# Altium PCB 2m_DBoard_TX.PcbDoc (part 2 of 5) (continued)
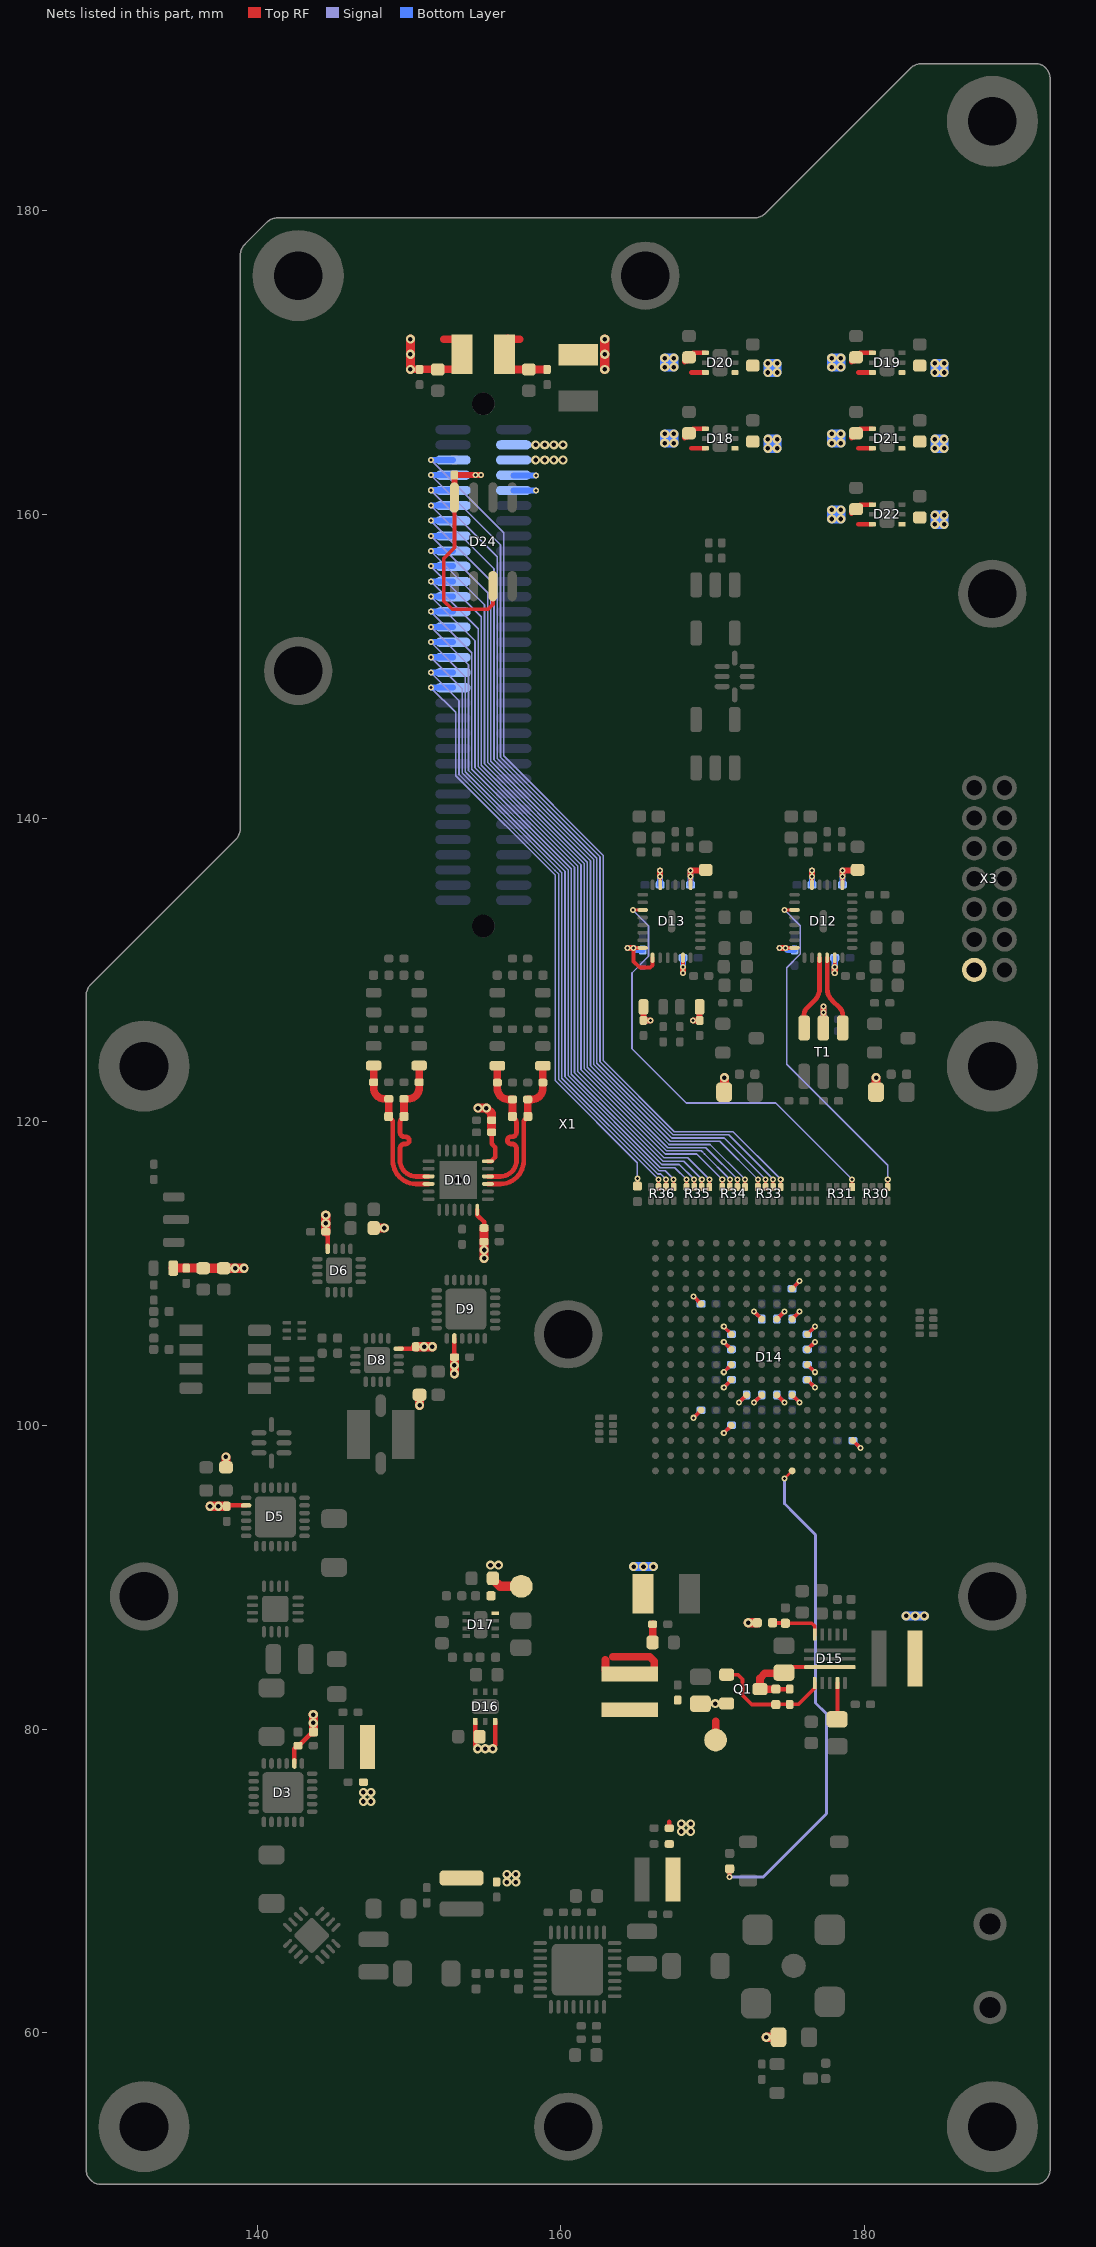
[diagram p12: the nets of this part, all layers, seen from the top]
## Part data (continued)
R43: "SMD Resistor", Manufacturer="Panasonic Electronic Components", Power="0.063 Wt", Supplier Part Number 1=P681KLCT-ND, Temperature Range=-55…155°C, Tolerance=1%, Name="Chip SMD Resistor", P/N=ERJ-2RKF6813X, Supplier 1=Digi-key, Supplier 2=Mouser, Supplier 3=Farnell, Supplier Part Number 2=667-ERJ-2RKF6813X
R44: "SMD Resistor", Manufacturer="Panasonic Electronic Components", Power="0.1 Wt", Supplier Part Number 1=P23.7KHCT-ND, Temperature Range=-55…155°C, Tolerance=1%, Name="Chip SMD Resistor", P/N=ERJ-3EKF2372V, Supplier 1=Digi-key, Supplier 2=Mouser, Supplier 3=Farnell, Supplier Part Number 2=667-ERJ-3EKF2372V
R45: "SMD Resistor", Manufacturer="Panasonic Electronic Components", Power="0.063 Wt", Supplier Part Number 1=P178KLCT-ND, Temperature Range=-55…155°C, Tolerance=1%, Name="Chip SMD Resistor", P/N=ERJ-2RKF1783X, Supplier 1=Digi-key, Supplier 2=Mouser, Supplier 3=Farnell, Supplier Part Number 2=667-ERJ-2RKF1783X
R46: "SMD Resistor", Manufacturer="Panasonic Electronic Components", Power="0.063 Wt", Supplier Part Number 1=P732KLCT-ND, Temperature Range=-55…155°C, Tolerance=1%, Name="Chip SMD Resistor", P/N=ERJ-2RKF7323X, Supplier 1=Digi-key, Supplier 2=Mouser, Supplier 3=Farnell, Supplier Part Number 2=667-ERJ-2RKF7323X
R47: "SMD Resistor", Manufacturer="Panasonic Electronic Components", Power="0.063 Wt", Supplier Part Number 1=P80.6KLCT-ND, Temperature Range=-55…155°C, Tolerance=1%, Name="Chip SMD Resistor", P/N=ERJ-2RKF8062X, Supplier 1=Digi-key, Supplier 2=Mouser, Supplier 3=Farnell, Supplier Part Number 2=667-ERJ-2RKF8062X
R48: "SMD Resistor", Manufacturer="Panasonic Electronic Components", Power="0.063 Wt", Temperature Range=-55…155°C, Tolerance=0.5%, Name="Chip SMD Resistor", P/N=ERJ-2RHD1501X, Supplier 1=Digi-key, Supplier 2=Mouser, Supplier 3=Farnell, Supplier Part Number 2=667-ERJ-2RHD1501X, Supplier Part Number 3=2379819
R49: "SMD Resistor", Power="0.1 Wt", Temperature Range=-55…155°C, Tolerance=1%, Name="Chip SMD Resistor", P/N=ERJ-2GE0R00X, Supplier 4=Digi-key, Supplier 5=Mouser, Supplier 6=Farnell, Supplier Part Number 4=P0.0JCT-ND, Supplier Part Number 5=667-ERJ-2GE0R00X
R50: "SMD Resistor", Manufacturer="Panasonic Electronic Components", Power="0.1 Wt", Supplier Part Number 1=P887KLCT-ND, Temperature Range=-55…155°C, Tolerance=±1%, Name="Chip SMD Resistor", P/N=ERJ-2RKF8873X, Supplier 1=Digi-key, Supplier 2=Mouser, Supplier 3=Farnell, Supplier Part Number 2=667-ERJ-2RKF8873X
R51: "SMD Resistor", Manufacturer="Panasonic Electronic Components", Power="0.1 Wt", Supplier Part Number 1=P499KLCT-ND, Temperature Range=-55…155°C, Tolerance=±1%, Name="Chip SMD Resistor", P/N=ERJ-2RKF4993X, Supplier 1=Digi-key, Supplier 2=Mouser, Supplier 3=Farnell, Supplier Part Number 2=667-ERJ-2RKF4993X
R52 R53 R54: "SMD Resistor", Power="0.062 Wt", Supplier Part Number 1=P68JCT-ND, Temperature Range=-55…155°C, Tolerance=5%, Name="Chip SMD Resistor", P/N=ERJ-2GEJ680X, Supplier 1=Digi-key, Supplier 2=Mouser, Supplier 3=Farnell, Supplier Part Number 2=667-ERJ-2GEJ680X
R55: "SMD Resistor", Manufacturer="Panasonic Electronic Components", Power="0.063 Wt", Supplier Part Number 1=P180LCT-ND, Temperature Range=-55…155°C, Tolerance=1%, Name="Chip SMD Resistor", P/N=ERJ-2RKF1800X, Supplier 1=Digi-key, Supplier 2=Mouser, Supplier 3=Farnell, Supplier Part Number 2=667-ERJ-2RKF1800X
T1: "RF Transformer", Frequency="20 to 4000 MHz", Manufacturer=Mini-Circuits, Package=DB1627, Name=TCM2-452X-2+, P/N=TCM2-452X-2+, Ratio=1:2, Supplier 1=Digi-key, Supplier 2=Mouser, Supplier 3=Minicircuits, Supplier Part Number 3=TCM2-452X-2+, Type="RF Transformer"
T2 T3: "RF Transformer", Frequency="3 to 300 MHz", Manufacturer=Mini-Circuits, Package=AT1521, Supplier Part Number 1=3157-TC2-1TX+CT-ND, Name=TC2-1TX+, P/N=TC2-1TX+, Ratio=1:2, Supplier 1=Digi-key, Supplier 2=Mouser, Supplier 3=Farnell, Supplier Part Number 2=139-TC2-1TX, Type="RF Transformer"
T4 T5 T6: "N-Channel MOSFET 2N7002", Channel Resistance=5Ohm, Current=300mA, Package=SOT-23, Power Dissipation=0.83W, Supplier Part Number 1=1727-8645-1-ND, Voltage=60V, Name=2N7002, Supplier 1=Digi-key, Supplier 2=Mouser, Supplier 3=Farnell, Supplier Part Number 2=771-2N7002/HAMR, Type=SOT-23
TP1 TP2: library part "Test  Point", Supplier 4=Digi-key, Supplier 5=Mouser, Supplier 6=Farnell
X1: "USRP DBoard", Manufacturer=Molex, Supplier Part Number 1=WM17201-ND, Name="1.00mm Pitch Mezzanine 714390164", P/N=714390164, Supplier 1=Digi-Key, Supplier 2=Mouser, Supplier 3=Farnell, Supplier Part Number 2=538-71439-0164
X2: "4.20mm Pitch, Dual Row, 2 Circuits, without Snap-in Plastic Peg PCB Lock", Manufacturer=Molex, Supplier Part Number 1=WM3800-ND, Mate With P/N=39-01-2020, Mate With Series=5557, Name="Mini-Fit Jr. Vertical Header", P/N=39-28-1023, Series=5566, Supplier 1=Digi-key, Supplier 2=Mouser, Supplier 3=Farnell, Supplier Part Number 2=538-39-28-1023, Type="Mini-Fit Jr. Vertical Header, 4.20mm Pitch, Dual Row, 2 Circuits, without Snap-in Plastic Peg PCB Lock"
X3: library part "HDR Debug_14-pin", "2.00mm Pitch, Milli-Grid PCB Header, Dual Row, Vertical, Through Hole, Shrouded, 14 / Circuits", Manufacturer=Molex, Supplier Part Number 1=WM4224-ND, Name="Milli-Grid Connector System", P/N=878311421, Series=87831, Supplier 1=Digi-key, Supplier 2=Mouser, Supplier 3=Farnell, Supplier Part Number 2=538-87831-1421, Type="2.00mm Pitch, Milli-Grid PCB Header, Dual Row, Vertical, Through Hole, Shrouded, 14"
XW1: library part "RF Connector", "50 Ohms, SMA Jack, Vertica", Manufacturer=Molex, Supplier Part Number 1=WM9458-ND, Impedance=50Ω, Name="SMA Jack", P/N=0732511352, Supplier 1=Digi-Key, Supplier 2=Mouser, Supplier 3=Farnell, Supplier Part Number 2=538-73251-1352, Type="50 Ohms, SMA Jack, Vertical, PCB SMT, Gold (Au) Body"
Z1 Z5: "Low Pass Filter", Frequency="DC to 990 MHz", Manufacturer=Mini-Circuits, Package=GE0805C-2, Supplier Part Number 1=3157-LFCG-92+CT-ND, Name=LFCG-92+, P/N=LFCG-92+, Supplier 1=Digi-key, Supplier 2=Mouser, Supplier 3=Farnell, Supplier Part Number 2=139-LFCG-92, Type="Low Pass Filter"
Z2: "Bandpass Filter", Frequency="3130 to 5040 MHz", Manufacturer=Mini-Circuits, Package=JV1210C, Supplier Part Number 1=3157-BFCV-4085+CT-ND, Name=BFCV-4085+, P/N=BFCV-4085+, Supplier 1=Digi-key, Supplier 2=Mouser, Supplier 3=Farnell, Supplier Part Number 2=139-BFCV-4085, Type="Bandpass Filter"
Z3: "Diplexer", Frequency="DC to 6000 MHz", Manufacturer=Mini-Circuits, Package=JC0603C, Supplier Part Number 1=3157-LDPW-162-242+CT-ND, High Pass="2400-6000 MHz", Low Pass="DC-1650 MHz", Name=LDPW-162-242+, P/N=LDPW-162-242+, Supplier 1=Digi-key, Supplier 2=Mouser, Supplier 3=Farnell, Supplier Part Number 2=139-LDPW-162-242, Type=Diplexer
Z4: "Diplexer", Frequency="DC to 5000 MHz", Manufacturer=Mini-Circuits, Package=GE0805C-10, High Pass="2600 - 5000 MHz", Low Pass="DC - 2100 MHz", Name=LDPG-212-322+, P/N=LDPG-212-322+, Supplier 1=Digi-key, Supplier 2=Mouser, Supplier 3=Minicircuits, Supplier Part Number 3=LDPG-212-322+, Type=Diplexer

## Via types
v1: diameter 0.6, hole 0.3, Top RF to Bottom Layer, tented both sides, 809 vias
v2: diameter 0.4, hole 0.2, Top RF to Bottom Layer, tented both sides, 741 vias
v3: diameter 0.5, hole 0.2, Top RF to Bottom Layer, tented both sides, 4 vias

## Nets (pads, with @x,y where several pads share a name; then routed paths per layer and width w, separated by ;. In a path a pad name is that pad's centre, name@x,y a point inside that pad or via, vN(x,y) a via of type N, cw(c..) or ccw(c..) an arc to the next point about the centre after c; other vN are vias at no path point)
3V3_CVDD: C52.1 C53.2 C58.1 C64.2 C72.2 C73.2 C74.1 C80.2 C132.1 D12.13 D12.27 D13.13 D13.27 D19.1 L16.2 L17.2 T1.5 | length 15.9
  Top RF w0.25: D13.27@166.55,135.6 v2(166.55,136.15) ; v2(168.05,130.2) D13.13@168.05,130.8 ; D12.27@176.55,135.6 v2(176.55,136.15) ; v2(178.05,130.2) D12.13@178.05,130.8
  Top RF w0.4: C73.2@165.45,126.675 L17.2@165.449,127.562 ; C73.2@165.45,126.675 v2(165.9,126.675) ; v2(166.55,136.15) v2(166.55,136.55) ; v2(168.05,129.8) v2(168.05,130.2) ; v2(168.7,126.675) C72.2@169.15,126.675 ; C72.2@169.15,126.675 L16.2@169.149,127.562 ; L16.2@169.149,127.562 L16.2@169.15,127.563 ; v2(176.55,136.15) v2(176.55,136.55) ; T1.5@177.3,126.175 v2(177.3,127.2) v2(177.3,127.6) ; v2(178.05,129.8) v2(178.05,130.2)
  Bottom Layer w0.4: C80.2@166.55,135.6 v2(166.55,136.15) v2(166.55,136.55) ; v2(168.05,129.8) C74.1@168.05,130.8 ; C64.2@176.55,135.6 v2(176.55,136.15) v2(176.55,136.55) ; C53.2@177.3,125.975 C52.1@177.3,126.75 ; C52.1@177.3,126.775 v2(177.3,127.2) v2(177.3,127.6) ; v2(178.05,129.8) C58.1@178.05,130.8
  Bottom Layer w0.6: v1(184.65,169.35) v1(184.65,169.95) v1(185.25,169.95) v1(185.25,169.35) v1(184.65,169.35)
3V3_DVDD: C16.2 C20.1 C21.1 C22.1 C23.1 C60.2 C76.2 C82.1 C83.1 C84.1 C85.1 C86.1 C87.2 C88.2 C89.2 C90.2 C91.2 C92.2 C93.2 C94.2 C95.2 C96.2 C97.2 C98.2 C99.2 C100.2 C101.2 C134.1 D3.2 D5.8 D6.16 D8.16 D9.8 D12.8 D13.8 D13.9 D14.D5 D14.D12 D14.F4 D14.F7 D14.F8 D14.F9 D14.F10 D14.G6 D14.H6 D14.H11 D14.J6 D14.J11 D14.K6 D14.K11 D14.K13 D14.L7 D14.L8 D14.L9 D14.L10 D14.P3 D22.1 H1.2 H2.2 H3.2 R5.1 X3.2 | length 53.7
  Top RF w0.25: D13.8@165.4,131.45 v2(164.8,131.45) 164.8,130.55 165.2,130.15 165.9,130.15 166.05,130.3 D13.9@166.05,130.8 ; v2(168.74,100.5) D14.D5@169.24,101 ; v2(168.74,108.5) D14.D12@169.24,108 ; v2(170.74,99.5) D14.F4@171.24,100 ; v2(170.74,102.5) D14.F7@171.24,103 ; v2(170.74,103.5) D14.F8@171.24,104 ; v2(170.74,105.5) D14.F9@171.24,105 ; v2(170.74,106.5) D14.F10@171.24,106 ; v2(171.74,101.5) D14.G6@172.24,102 ; v2(172.74,101.5) D14.H6@173.24,102 ; v2(172.74,107.5) D14.H11@173.24,107 ; D14.J6@174.24,102 v2(174.74,101.5) ; D14.J11@174.24,107 v2(174.74,107.5) ; v2(174.8,131.45) D12.8@175.4,131.45 ; D14.K6@175.24,102 v2(175.74,101.5) ; D14.K11@175.24,107 v2(175.74,107.5) ; D14.K13@175.24,109 v2(175.74,109.5) ; D14.L7@176.24,103 v2(176.74,102.5) ; D14.L8@176.24,104 v2(176.74,103.5) ; D14.L9@176.24,105 v2(176.74,105.5) ; D14.L10@176.24,106 v2(176.74,106.5) ; D14.P3@179.24,99 v2(179.74,98.5)
  Top RF w0.3: C20.1@138,94.675 138.05,94.725 D5.8@139.275,94.725 ; D3.2@142.45,77.73 142.45,78.705 142.65,78.905 C16.2@142.7,78.905 142.75,78.905 143.49,79.645 143.558,79.645 143.708,79.795 R5.1@143.708,79.8 ; C21.1@144.525,112.75 144.55,112.75 144.65,112.65 D6.16@144.65,111.625 ; D8.16@149.325,105.05 150.35,105.05 150.45,105.15 C22.1@150.45,105.175 ; C23.1@153,104.5 D9.8@153,105.725
  Top RF w0.4: v2(164.4,131.45) v2(164.8,131.45) ; v2(174.4,131.45) v2(174.8,131.45)
  Top RF w0.6: v1(136.9,94.675) C20.1@138,94.675 ; v1(143.7,80.95) 143.708,80.942 R5.1@143.708,79.8 ; C21.1@144.525,112.75 v1(144.525,113.85) ; C22.1@150.45,105.175 v1(151.55,105.175) ; v1(153,103.4) C23.1@153,104.5 ; H2.2@170.775,121.95 v1(170.775,122.9) ; v1(173.54,59.7) H3.2@174.35,59.7 ; H1.2@180.775,121.95 v1(180.775,122.9)
  Bottom Layer w0.25: v2(168.74,100.5) C86.1@169.24,101 ; v2(168.74,108.5) C85.1@169.24,108 ; v2(170.74,99.5) C82.1@171.24,100 ; v2(170.74,102.5) C95.2@171.24,103 ; v2(170.74,103.5) C96.2@171.24,104 ; v2(170.74,105.5) C100.2@171.24,105 ; v2(170.74,106.5) C99.2@171.24,106 ; v2(171.74,101.5) C97.2@172.24,102 ; v2(172.74,101.5) C98.2@173.24,102 ; v2(172.74,107.5) C101.2@173.24,107 ; C87.2@174.24,102 v2(174.74,101.5) ; C91.2@174.24,107 v2(174.74,107.5) ; C88.2@175.24,102 v2(175.74,101.5) ; C92.2@175.24,107 v2(175.74,107.5) ; C84.1@175.24,109 v2(175.74,109.5) ; C89.2@176.24,103 v2(176.74,102.5) ; C90.2@176.24,104 v2(176.74,103.5) ; C94.2@176.24,105 v2(176.74,105.5) ; C93.2@176.24,106 v2(176.74,106.5) ; C83.1@179.24,99 v2(179.74,98.5)
  Bottom Layer w0.4: v2(164.4,131.45) v2(164.8,131.45) 164.95,131.3 C76.2@165.4,131.3 ; v2(174.4,131.45) v2(174.8,131.45) 174.95,131.3 C60.2@175.4,131.3 175.4,131.35 C60.2@175.35,131.4
  Bottom Layer w0.6: v1(184.65,159.35) v1(185.25,159.35) v1(185.25,159.95) v1(184.65,159.95) v1(184.65,159.35)
  other v1: 143.7,80.4 137.45,94.675 153,103.95 151,105.175 144.525,113.3
3V3_DVDD_TX: C102.2 D24.3 D24.8 X1.8 X1.10 | length 18.1
  Top RF w0.25: D24.8@152.995,161.121 152.995,157.802 152.3,157.107 152.3,154.3 152.85,153.75 155.2,153.75 155.535,154.085 D24.3@155.535,155.279
  Top RF w0.4: D24.8@152.998,161.124 C102.2@152.998,162.597 ; D24.8@152.998,161.598 D24.8@153,161.6 ; C102.2@153,162.6 v2(154.4,162.6) v2(154.75,162.6)
  Bottom Layer w0.4: X1.10@156.9,161.575 v2(158.362,161.575) ; X1.8@156.9,162.575 v2(158.362,162.575)
5V_AVDD: C13.2 C18.2 C125.1 D20.1 L4.1 L6.1 | length 2.4
  Bottom Layer w0.6: v1(173.65,169.35) v1(173.65,169.95) v1(174.25,169.95) v1(174.25,169.35) v1(173.65,169.35)
  other v1: 156.45,69.92 157.05,69.92 156.45,70.42 157.05,70.42 147,75.225 147.5,75.225 147,75.825 147.5,75.825
5V_CVDD: C46.2 C47.2 C48.1 C63.2 C79.2 C121.1 D12.23 D13.23 D21.1 L15.2 R26.2 R29.2 | length 12.9
  Top RF w0.25: D13.23@168.55,135.6 v2(168.55,136.15) ; D12.23@178.55,135.6 v2(178.55,136.15)
  Top RF w0.4: v2(168.55,136.15) v2(168.55,136.55) 169.512,136.55 R29.2@169.55,136.588 ; v2(178.55,136.15) v2(178.55,136.55) R26.2@179.512,136.55 ; R26.2@179.506,136.544 R26.2@179.556,136.544
  Top RF w0.5: C47.2@136.431,110.354 ccw(c136.457,110.381) 136.438,110.349 ccw(c136.457,110.381) C47.2@136.457,110.343
  Top RF w0.6: L15.2@134.481,110.354 C46.2@135.331,110.354 136.431,110.354 136.436,110.349 136.438,110.349 136.457,110.349 137.738,110.349 137.95,110.349 138.028,110.349 ccw(c138.028,110.949) 138.031,110.349 139.149,110.349 v1(139.15,110.35)
  Bottom Layer w0.4: C79.2@168.55,135.6 v2(168.55,136.15) v2(168.55,136.55) ; C63.2@178.55,135.6 v2(178.55,136.15) v2(178.55,136.55)
  Bottom Layer w0.6: v1(184.65,164.35) v1(184.65,164.95) v1(185.25,164.95) v1(185.25,164.35) v1(184.65,164.35)
  other v1: 138.55,110.35
5V_QMOD: C25.2 C26.2 C27.2 C28.2 C123.1 D10.18 D10.24 D18.1 | length 10.4
  Top RF w0.3: D10.18@154.5,114.2 154.5,113.85 154.95,113.4 C25.2@154.95,113 C25.2@154.95,112.987 ; C25.2@154.952,112.989 C25.2@154.955,112.987 ; D10.24@155.2,117.4 155.425,117.4 155.675,117.65 155.675,118.325 155.45,118.55 C27.2@155.45,119.3
  Top RF w0.4: C25.2@154.95,112.987 C25.2@154.952,112.989
  Top RF w0.6: v1(154.55,120.9) v1(155.1,120.9) 155.45,120.55 C27.2@155.45,119.3 ; v1(154.95,111) C26.2@154.95,112.1 154.95,112.987 C25.2@154.95,113
  Bottom Layer w0.6: v1(173.65,164.35) v1(174.25,164.35) v1(174.25,164.95) v1(173.65,164.95) v1(173.65,164.35)
  other v1: 154.95,111.55
6V_TX: C103.2 C104.2 C120.1 C122.1 C124.1 C126.1 C131.1 C133.1 D16.4 D16.6 D18.4 D18.6 D19.4 D19.6 D20.4 D20.6 D21.4 D21.6 D22.4 D22.6 L18.1 X1.4 X1.6 | length 33.7
  Top RF w0.3: D16.4@154.375,80.5 154.375,78.931 154.525,78.781 v1(154.525,78.7) ; C126.1@154.65,79.5 C126.1@154.65,79.55 ; v1(155.525,78.7) 155.525,78.781 155.675,78.931 D16.6@155.675,80.5 ; C122.1@168.35,165.1 C122.1@168.45,165.2 ; C124.1@168.35,170.1 C124.1@168.45,170.2 ; 168.6,164.35 D18.6@169.525,164.35 ; 168.6,169.35 D20.6@169.525,169.35 ; C122.1@168.7,165.65 D18.4@169.525,165.65 ; C124.1@168.7,170.65 D20.4@169.525,170.65 ; C133.1@179.35,160.1 C133.1@179.45,160.2 ; C120.1@179.35,165.1 C120.1@179.45,165.2 ; C131.1@179.35,170.1 C131.1@179.45,170.2 ; 179.6,159.35 D22.6@180.525,159.35 ; 179.6,164.35 D21.6@180.525,164.35 ; 179.6,169.35 D19.6@180.525,169.35 ; C133.1@179.7,160.65 D22.4@180.525,160.65 ; C120.1@179.7,165.65 D21.4@180.525,165.65 ; C131.1@179.7,170.65 D19.4@180.525,170.65
  Top RF w0.315: C122.1@168.157,165.043 C122.1@168.157,165.093 ; C124.1@168.157,170.043 C124.1@168.157,170.093 ; C133.1@179.157,160.042 C133.1@179.157,160.092 ; C120.1@179.157,165.042 C120.1@179.157,165.092 ; C131.1@179.158,170.043 C131.1@179.158,170.093
  Top RF w0.5: v1(150.102,169.55) 152.252,169.55 153.252,169.55 153.505,169.803 153.505,171.1 153.055,171.55 152.302,171.55
  Top RF w0.6: v1(150.102,169.55) v1(150.102,170.55) v1(150.102,171.55)
  Bottom Layer w0.6: v1(166.85,164.7) v1(167.45,164.7) v1(167.45,165.3) v1(166.85,165.3) v1(166.85,164.7) ; v1(166.85,169.7) v1(166.85,170.3) v1(167.45,170.3) v1(167.45,169.7) v1(166.85,169.7) ; v1(177.85,159.7) v1(178.45,159.7) v1(178.45,160.3) v1(177.85,160.3) v1(177.85,159.7) ; v1(177.85,164.7) v1(178.45,164.7) v1(178.45,165.3) v1(177.85,165.3) v1(177.85,164.7) ; v1(177.85,169.7) v1(177.85,170.3) v1(178.45,170.3) v1(178.45,169.7) v1(177.85,169.7)
  other v1: 155.025,78.7 158.35,163.584 158.95,163.584 159.55,163.584 160.15,163.584 158.35,164.584 158.95,164.584 159.55,164.584 160.15,164.584
12V_AVDD: C3.2 C4.2 C115.2 C118.2 C119.2 L2.1 L20.2 | length 12
  Top RF w0.3: C3.2@167.15,73.475 167.15,73.9
  Top RF w0.5: 162.927,84.552 162.95,84.529 162.95,83.875 162.973,83.852 162.977,83.852 163.194,83.635 L20.2@164.55,83.635 165.91,83.635 166.15,83.875 166.15,84.459 165.857,84.752 163.427,84.752 ; L20.2@164.552,83.637 165.812,83.637 L20.2@166.052,83.877 ; C115.2@166.052,85.702 C118.2@166.052,86.902
  Bottom Layer w0.6: v1(164.802,90.702) v1(165.452,90.702) v1(166.102,90.702)
  other v1: 167.95,73.25 168.55,73.25 167.95,73.75 168.55,73.75
-3V4_DVSS: C130.1 D17.4 R8.1 R10.1 R12.1 R50.2 TP1.1 | length 4.2
  Top RF w0.6: R8.1@137.95,97.237 v1(137.95,97.925) ; R10.1@147.687,113 v1(148.375,113) ; v1(150.7,101.325) R12.1@150.7,102.013 ; C130.1@155.525,89.925 155.525,89.875 156,89.4 TP1.1@157.4,89.4
  other v1: 155.375,90.8 155.9,90.8
_6V_flt: C105.2 C106.2 C107.2 C109.1 D15.12 L18.2 L19.1 | length 11
  Top RF w0.25: C109.1@178.227,80.677 D15.12@178.227,83.027
  Top RF w0.5: 157.302,171.55 156.552,171.55 156.502,171.6 156.299,171.397 156.299,169.995 156.749,169.545 157.955,169.545 C105.2@159.027,169.545
  Top RF w0.6: v1(162.9,169.55) v1(162.9,171.55)
  Bottom Layer w0.6: v1(182.752,87.452) v1(183.352,87.452) v1(183.952,87.452)
  other v1: 162.9,170.55
_12V_TPS: C113.2 C114.2 L20.1 Q1.2 R46.2 TP2.1 | length 1.9
  Top RF w0.25: v1(170.177,81.677) v1@170.19,81.664 ; TP2.1@170.19,79.289 TP2.1@170.202,79.277
  Top RF w0.4: R46.2@172.933,87.012 R46.2@172.944,87.002
  Top RF w0.5: TP2.1@170.202,79.277 170.202,80.507
  Top RF w0.6: v1(172.35,87) R46.2@172.942,87
_IOUTA_QMOD_N: C35.2 C37.2 D10.22 L12.2 R18.2 | length 10.3
  Top RF w0.315: D10.22@155.2,116.4 156.032,116.4 ccw(c156.032,117.461) 157.092,117.461 157.092,118.068 157.092,118.226 ccw(c156.777,118.226) 156.777,118.541 156.717,118.541 cw(c156.717,118.773) 156.485,118.773 cw(c156.717,118.773) 156.717,119.006 156.777,119.006 ccw(c156.777,119.321) 157.092,119.321 157.092,119.836 157.092,119.907 ccw(c156.69,119.907) 157.087,119.971 ccw(c156.69,119.907) 156.975,120.192 R18.2@156.817,120.35 R18.2@156.817,120.345
  Top RF w0.5: L12.2@155.825,123.688 C37.2@155.825,122.581 155.825,122.2 ccw(c156.559,122.2) 156.559,121.466 C35.2@156.825,121.466 R18.2@156.825,120.35
_IOUTA_QMOD_P: C35.1 C36.1 D10.21 L11.2 R18.1 | length 10.3
  Top RF w0.315: D10.21@155.2,115.9 156.026,115.9 ccw(c156.026,117.431) 157.557,117.431 157.557,119.907 cw(c157.96,119.907) 157.675,120.192 R18.1@157.833,120.35 R18.1@157.833,120.345
  Top RF w0.5: R18.1@157.825,120.35 C35.1@157.825,121.466 158.091,121.466 ccw(c158.091,122.2) 158.825,122.2 C36.1@158.825,122.581 L11.2@158.825,123.688
_IOUTB_QMOD_N: C29.2 C31.2 D10.9 L8.2 R15.2 | length 10.3
  Top RF w0.315: R15.2@149.525,120.192 ccw(c149.81,119.907) 149.407,119.907 149.407,119.827 149.407,119.321 ccw(c149.722,119.321) 149.722,119.006 149.792,119.006 cw(c149.792,118.773) 150.024,118.773 cw(c149.792,118.773) 149.792,118.541 149.722,118.541 ccw(c149.722,118.226) 149.407,118.226 149.407,117.603 149.407,117.461 ccw(c150.468,117.461) 150.468,116.4 D10.9@151.3,116.4 ; R15.2@149.525,120.192 R15.2@149.683,120.35 R15.2@149.683,120.345
  Top RF w0.5: R15.2@149.675,120.35 C29.2@149.675,121.465 ; C29.2@149.675,121.5 149.95,121.5 ccw(c149.95,122.225) 150.675,122.225 C31.2@150.675,122.6 L8.2@150.675,123.7
_IOUTB_QMOD_P: C29.1 C30.1 D10.10 L7.2 R15.1 | length 10.3
  Top RF w0.315: R15.1@148.667,120.345 R15.1@148.667,120.35 148.824,120.192 cw(c148.54,119.907) 148.942,119.907 148.942,117.431 ccw(c150.474,117.431) 150.474,115.9 D10.10@151.3,115.9
  Top RF w0.5: L7.2@147.675,123.7 C30.1@147.675,122.6 147.675,122.225 ccw(c148.4,122.225) 148.4,121.5 C29.1@148.675,121.5 ; R15.1@148.675,120.35 C29.1@148.675,121.465
_LO1_TX_N: D12.11 T1.4 | length 5
  Top RF w0.315: T1.4@176.03,126.175 176.03,127.056 cw(c176.619,127.056) 176.202,127.472 176.741,128.011 ccw(c175.996,128.757) 177.05,128.757 D12.11@177.05,130.8
_LO1_TX_P: D12.12 T1.6 | length 5
  Top RF w0.315: D12.12@177.55,130.8 177.55,128.757 ccw(c178.604,128.757) 177.859,128.011 178.398,127.473 ; 178.398,127.472 cw(c177.981,127.056) 178.57,127.056 T1.6@178.57,126.175
_TPS_DISDRV: C112.2 D15.9 Q1.1 R45.1 | length 8
  Top RF w0.25: Q1.1@170.927,83.577 171.677,83.577 171.977,83.277 171.977,82.227 172.585,81.619 R45.1@174.177,81.619 ; R45.1@174.185,81.627 175.652,81.627 176.727,82.702 D15.9@176.727,83.027
_TPS_FB: D15.5 R46.1 R47.2 | length 3.4
  Top RF w0.25: R46.1@173.935,86.977 174.802,86.977 174.802,86.969 176.535,86.969 176.727,86.777 D15.5@176.727,86.227
_TPS_VOUT: C111.2 C112.1 D15.8 Q1.3 R45.2 | length 7.6
  Top RF w0.25: C111.2@174.666,83.677 174.897,83.677 175.295,84.075 D15.8@177.725,84.075
  Top RF w0.3: Q1.3@173.127,82.627 Q1.3@173.131,82.631 ; R45.2@174.173,82.631 174.177,82.635 174.181,82.631 175.073,82.631 C112.1@175.077,82.627
  Top RF w0.5: Q1.3@173.127,82.627 173.127,83.352 173.452,83.677 174.666,83.677 C111.2@174.7,83.711 C111.2@174.702,83.713 ; Q1.3@173.131,82.631 R45.2@174.173,82.631
cpld_io_00: R40.2 X1.35 | length 39.9
  Top RF w0.185: R40.2@165.05,115.758 v2(165.05,116.258)
  Signal w0.11: v2(151.442,148.593) 153.075,146.96 153.075,143.223 153.09,143.208 153.09,142.785 159.65,136.225 159.65,122.695 165.05,117.295 v2(165.05,116.258)
  Bottom Layer w0.4: v2(151.442,148.593) X1.35@152.904,148.593
cpld_io_01: R36.7 X1.33 | length 41.6
  Top RF w0.185: R36.7@166.44,115.7 v2(166.44,116.2)
  Signal w0.11: v2(151.442,149.593) 153.3,147.735 153.3,142.875 159.625,136.55 159.625,136.547 159.86,136.312 159.86,122.782 165.942,116.7 v2@166.44,116.202
  Bottom Layer w0.4: v2(151.442,149.593) X1.33@152.904,149.593
cpld_io_02: R36.6 X1.31 | length 42.9
  Top RF w0.185: R36.6@166.94,115.7 v2(166.94,116.2)
  Signal w0.11: v2(151.442,150.593) 153.51,148.525 153.51,142.965 159.95,136.525 159.95,136.519 160.07,136.399 160.07,122.869 166.384,116.555 166.587,116.555 v2@166.94,116.202
  Bottom Layer w0.4: v2(151.442,150.593) X1.31@152.904,150.593
cpld_io_03: R36.5 X1.29 | length 44.2
  Top RF w0.185: R36.5@167.44,115.7 v2(167.44,116.2)
  Signal w0.11: v2(151.442,151.593) 153.72,149.315 153.72,143.052 158.752,138.02 160.28,136.492 160.28,122.956 166.471,116.765 166.877,116.765 v2@167.44,116.202
  Bottom Layer w0.4: v2(151.442,151.593) X1.29@152.904,151.593
cpld_io_04: R35.8 X1.27 | length 45.9
  Top RF w0.185: R35.8@168.29,115.7 v2(168.29,116.2)
  Signal w0.11: v2(151.442,152.593) 153.93,150.105 153.93,143.139 160.49,136.579 160.49,123.043 166.558,116.975 167.515,116.975 v2(168.29,116.2)
  Bottom Layer w0.4: v2(151.442,152.593) X1.27@152.904,152.593
cpld_io_05: R35.7 X1.25 | length 47.2
  Top RF w0.185: R35.7@168.79,115.7 v2(168.79,116.2)
  Signal w0.11: v2(151.442,153.593) 154.14,150.895 154.14,143.226 160.7,136.666 160.7,123.13 166.645,117.185 167.807,117.185 168.79,116.202 v2(168.79,116.2)
  Bottom Layer w0.4: v2(151.442,153.593) X1.25@152.904,153.593
cpld_io_06: R35.6 X1.23 | length 48.5
  Top RF w0.185: R35.6@169.29,115.7 v2(169.29,116.2)
  Signal w0.11: v2(151.442,154.593) 154.35,151.685 154.35,143.313 160.91,136.753 160.91,123.217 166.732,117.395 168.097,117.395 169.29,116.202 v2(169.29,116.2)
  Bottom Layer w0.4: v2(151.442,154.593) X1.23@152.904,154.593
cpld_io_07: R35.5 X1.21 | length 49.9
  Top RF w0.185: R35.5@169.79,115.7 v2(169.79,116.2)
  Signal w0.11: v2(151.442,155.593) 154.56,152.475 154.56,143.4 161.12,136.84 161.12,123.304 166.799,117.625 168.367,117.625 169.79,116.202 v2(169.79,116.2)
  Bottom Layer w0.4: v2(151.442,155.593) X1.21@152.904,155.593
cpld_io_08: R34.8 X1.19 | length 51.5
  Top RF w0.185: R34.8@170.64,115.7 v2(170.64,116.2)
  Signal w0.11: v2(151.442,156.593) 154.77,153.265 154.77,143.487 161.33,136.927 161.33,123.42 166.875,117.875 168.965,117.875 v2(170.64,116.2)
  Bottom Layer w0.4: v2(151.442,156.593) X1.19@152.904,156.593
cpld_io_09: R34.7 X1.17 | length 52.9
  Top RF w0.185: R34.7@171.14,115.7 v2(171.14,116.2)
  Signal w0.11: v2(151.442,157.593) 154.98,154.055 154.98,143.574 161.54,137.014 161.54,123.507 166.962,118.085 169.257,118.085 169.467,117.875 171.14,116.202 v2(171.14,116.2)
  Bottom Layer w0.4: v2(151.442,157.593) X1.17@152.904,157.593
cpld_io_10: R34.6 X1.15 | length 54.2
  Top RF w0.185: R34.6@171.64,115.7 v2(171.64,116.2)
  Signal w0.11: v2(151.442,158.593) 155.19,154.845 155.19,143.661 161.75,137.101 161.75,123.594 167.049,118.295 169.547,118.295 169.692,118.15 171.64,116.202 v2(171.64,116.2)
  Bottom Layer w0.4: v2(151.442,158.593) X1.15@152.904,158.593
cpld_io_11: R34.5 X1.13 | length 55.5
  Top RF w0.185: R34.5@172.14,115.7 v2(172.14,116.2)
  Signal w0.11: v2(151.442,159.593) 155.4,155.635 155.4,143.748 161.96,137.188 161.96,123.681 167.136,118.505 169.837,118.505 172.14,116.202 v2(172.14,116.2)
  Bottom Layer w0.4: v2(151.442,159.593) X1.13@152.904,159.593
cpld_io_12: R33.8 X1.11 | length 57.2
  Top RF w0.185: R33.8@172.99,115.7 v2(172.99,116.2)
  Signal w0.11: v2(151.442,160.593) 155.61,156.425 155.61,143.835 162.17,137.275 162.17,123.768 167.223,118.715 170.475,118.715 v2(172.99,116.2)
  Bottom Layer w0.4: v2(151.442,160.593) X1.11@152.904,160.593
cpld_io_13: R33.7 X1.9 | length 58.5
  Top RF w0.185: R33.7@173.49,115.7 v2(173.49,116.2)
  Signal w0.11: v2(151.442,161.593) 155.82,157.215 155.82,143.922 162.38,137.362 162.38,123.855 167.31,118.925 170.767,118.925 173.49,116.202 v2(173.49,116.2)
  Bottom Layer w0.4: v2(151.442,161.593) X1.9@152.904,161.593
cpld_io_14: R33.6 X1.7 | length 59.8
  Top RF w0.185: R33.6@173.99,115.7 v2(173.99,116.2)
  Signal w0.11: v2(151.442,162.593) 156.03,158.005 156.03,144.009 162.59,137.449 162.59,123.942 167.397,119.135 171.057,119.135 173.99,116.202 v2(173.99,116.2)
  Bottom Layer w0.4: v2(151.442,162.593) X1.7@152.904,162.593
cpld_io_15: R33.5 X1.5 | length 61.2
  Top RF w0.185: R33.5@174.49,115.7 v2(174.49,116.2)
  Signal w0.11: v2(151.442,163.593) 156.24,158.795 156.24,144.096 162.8,137.536 162.8,124.029 167.484,119.345 171.347,119.345 174.49,116.202 v2(174.49,116.2)
  Bottom Layer w0.4: v2(151.442,163.593) X1.5@152.904,163.593
CS_LO1: D12.3 R30.5 | length 22.5
  Top RF w0.185: v2(174.75,133.95) D12.3@175.4,133.95 ; R30.5@181.54,115.7 v2(181.54,116.2)
  Signal w0.11: v2(174.75,133.95) 174.752,133.95 175.785,132.917 175.785,131.042 174.885,130.142 174.885,123.79 181.54,117.135 v2(181.54,116.2)
CS_LO2: D13.3 R31.5 | length 29.2
  Top RF w0.185: v2(164.75,133.95) D13.3@165.4,133.95 ; R31.5@179.19,115.7 v2(179.19,116.2)
  Signal w0.11: v2(164.75,133.95) 164.752,133.95 165.785,132.917 165.785,130.894 164.69,129.799 164.69,124.812 165.142,124.359 168.267,121.235 174.157,121.235 179.19,116.202 v2(179.19,116.2)
EXT_CTRL_TX: D14.K1 R55.2 | length 32.6
  Top RF w0.185: v2(174.74,96.5) D14.K1@175.24,97
  Top RF w0.25: v2(171.125,70.242) R55.2@171.125,70.792
  Signal w0.185: v2(174.74,96.5) 174.74,94.843 175.448,94.135
  Signal w0.2: v2(171.125,70.242) 173.318,70.242 177.5,74.424 177.5,81 176.782,81.718 176.782,92.789 175.44,94.132